# Altium PCB PCB1_G431.PcbDoc (continued)
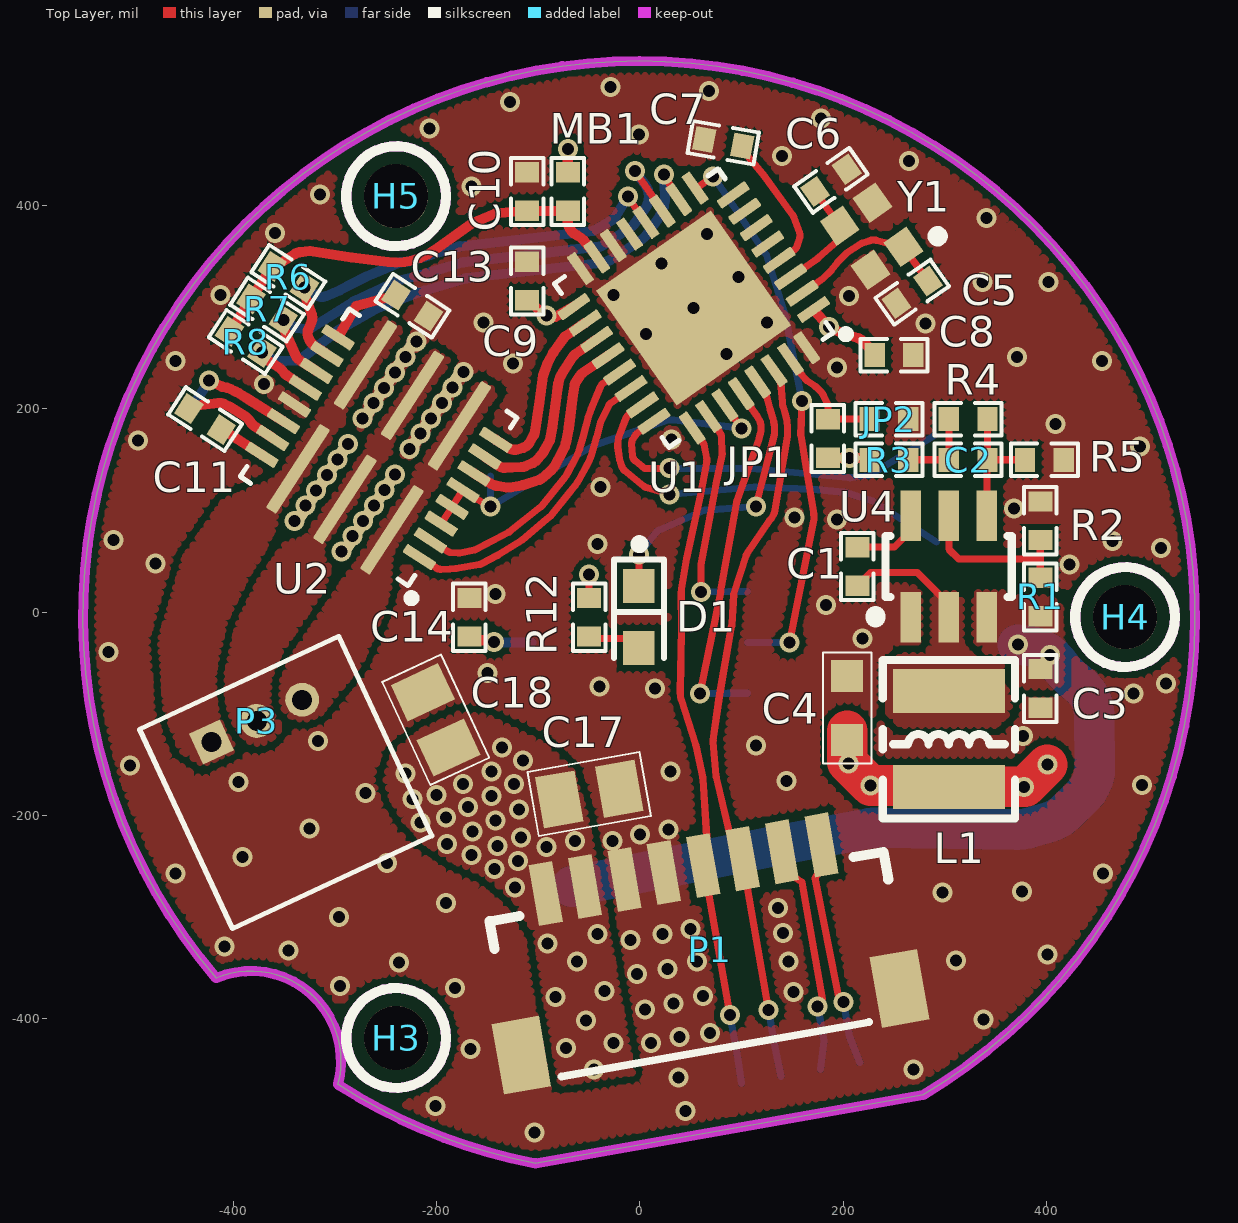
[diagram p0: Top Layer view]
## Footprints (in the part's own frame and the unit in brackets; to place one, negate y for a bottom-side part, rotate by r counter-clockwise, add the part's x,y. Pads: shape width x height; smd on the part's side, far side on the other; paste and mask are expansions set on the pad)
C_0402 [mil]
  rect 20x23.62 smd: 1(-19,0) 2(19,0)
  silkscreen extent -33,-16 33,16, body extent -20,-10 20,10, height 20
C_0603 [mm]
  rect 0.8x0.8 smd: 1(-0.788,0) 2(0.812,0)
  silkscreen extent -1.37,-0.61 1.41,0.61, body extent -1,-0.39 1,0.39, height 0.79
C_0805 [mm]
  rect 1x1.3 smd: 1(-0.762,0) 2(0.762,0)
  silkscreen extent -1.42,-0.81 1.42,0.81, body extent -1,-0.62 1,0.62, height 0.88
JST_SM08B-SRSS-TB(LF)(SN) [mm]
  rect 0.6x1.55 smd: 1(-3.5,4.775) 2(-2.5,4.775) 3(-1.5,4.775) 4(-0.5,4.775) 5(0.5,4.775) 6(1.5,4.775) 7(2.5,4.775) 8(3.5,4.775)
  rect 1.2x1.8 smd: P1(-4.8,0.9) P2(4.8,0.9)
  silkscreen extent -5,0.2 5,4.33, body extent -5,0.15 5,5.1, height 2.95
LED_0603 [mil] "LED_0603"
  rect 33x31 smd: A(-30.51,0) C(30.51,0)
  silkscreen extent -40,-25 76,25, body extent -32,-16 31,16, height 25
"M3 Hole" [mm] "M3 Hole with no copper"
  round 1.6 hole 1.6 unplated: 1(0,0)
MOLEX_530480310 [mm]
  rect 0.85x0.85 hole 0.5 mask+0.076: 1(0,0)
  round 0.85 hole 0.5 mask+0.076: 2(1.25,0) 3(2.5,0)
  silkscreen extent -1.5,-4.45 4,1.05, body extent -1.51,-4.45 3.99,1.05, height 3.5
NR3015 [mm]
  rect 1.1x2.8 smd: 1(-1.2,0) 2(1.2,0)
  silkscreen extent -1.98,-1.65 1.98,1.65, body extent -1.5,-1.5 1.5,1.5, height 1.45
QFN26-MPS [mm]
  rrect25% 0.86x0.25 smd: 1(-2.35,1.75) 2(-2.35,1.25) 3(-2.35,0.75) 4(-2.35,0.25) 5(-2.35,-0.25) 6(-2.35,-0.75) 7(-2.35,-1.25) 8(-2.35,-1.75) 14(2.35,-1.75) 15(2.35,-1.25) 16(2.35,-0.75) 17(2.35,-0.25) 18(2.35,0.25) 19(2.35,0.75) 20(2.35,1.25) 21(2.35,1.75)
  rrect25% 0.3x2.5 smd: 9(-1.4,-1.55) 10(-0.7,-1.55) 11(0,-1.55) 12(0.7,-1.55) 13(1.4,-1.55) 22(1.4,1.55) 23(0.7,1.55) 24(0,1.55) 25(-0.7,1.55) 26(-1.4,1.55)
  silkscreen extent -2.84,-2.5 2.5,2.82, body extent -2.5,-2.5 2.5,2.5, height 0.9
QFN32 [mm]
  rrect25% 0.86x0.25 smd: 1(-2.435,1.75) 2(-2.435,1.25) 3(-2.435,0.75) 4(-2.435,0.25) 5(-2.435,-0.25) 6(-2.435,-0.75) 7(-2.435,-1.25) 8(-2.435,-1.75) 17(2.435,-1.75) 18(2.435,-1.25) 19(2.435,-0.75) 20(2.435,-0.25) 21(2.435,0.25) 22(2.435,0.75) 23(2.435,1.25) 24(2.435,1.75)
  rrect25% 0.25x0.86 smd: 9(-1.75,-2.435) 10(-1.25,-2.435) 11(-0.75,-2.435) 12(-0.25,-2.435) 13(0.25,-2.435) 14(0.75,-2.435) 15(1.25,-2.435) 16(1.75,-2.435) 25(1.75,2.435) 26(1.25,2.435) 27(0.75,2.435) 28(0.25,2.435) 29(-0.25,2.435) 30(-0.75,2.435) 31(-1.25,2.435) 32(-1.75,2.435)
  rect 3.5x3.5 smd paste-0.64: 33(0,0)
  silkscreen extent -2.84,-2.5 2.5,2.82, body extent -2.5,-2.5 2.5,2.5, height 0.6
R_0402 [mil]
  rect 20x23.62 smd: 1(-19,0) 2(19,0)
  silkscreen extent -33,-16 33,16, body extent -20,-10 20,10, height 20
SOIC8 [mm]
  rect 1.55x0.6 smd: 1(-2.705,1.905)
  oval 1.55x0.6 smd: 2(-2.705,0.635) 3(-2.705,-0.635) 4(-2.705,-1.905) 5(2.695,-1.905) 6(2.695,-0.635) 7(2.695,0.635) 8(2.695,1.905)
  silkscreen extent -1.44,-2.54 1.44,2.54, body extent -3.01,-2.45 2.99,2.45, height 1.75
solder_pad_1 [mm]
  round 2 smd: 1(0,0)
SOT-23-6 [mil]
  rect 50x20 smd: 1(0,0) 2(0,-37.4) 3(0,-74.8) 4(100,-74.8) 5(100,-37.4) 6(100,0)
  silkscreen extent 0,-99 80,35, body extent -6,-95 104,19, height 57
XTAL-2016 [mm]
  rect 0.75x0.7 smd: 1(-0.675,-0.5) 2(0.675,-0.5) 3(0.675,0.5) 4(-0.675,0.5)
  silkscreen extent -1.07,-1.48 -0.82,-1.23, body extent -1,-0.8 1,0.8, height 0.65

## Part data
C1 C2 C3 C4 C5 C6 C7 C8 C9 C10 C11 C12 C13 C14 C15 C16 C17 C18: library part C
D1: library part LED_SMD
H3 H4 H5: library part "M3 Hole", "M3 Hole with no copper"
JP1 JP2 MB1 R1 R2 R3 R4 R5 R6 R7 R8 R9 R10 R11 R12 R13: library part R
L1: library part L-NR, "NR功率电感"
P1: library part "Header 8", "Header, 5-Pin", LatestRevisionDate=17-Jul-2002, LatestRevisionNote="Re-released for DXP Platform.", Publisher="Altium Limited"
P2: "Header, 5-Pin", LatestRevisionDate=17-Jul-2002, LatestRevisionNote="Re-released for DXP Platform.", Publisher="Altium Limited"
P3: library part "Header 3", "Header, 2-Pin", LatestRevisionDate=17-Jul-2002, LatestRevisionNote="Re-released for DXP Platform.", Publisher="Altium Limited"
U1: "ARMÂ® CortexÂ®-M4F STM32G4 Microcontroller IC 32-Bit 170MHz 128KB (128K x 8) FLASH 32-UFQFPN (5x5)", Package="UFQFN-32 STMicroelectronics", Availability="In Stock", Check_prices=https://www.snapeda.com/parts/STM32G431KBU3/STMicroelectronics/view-part/4524042/?ref=eda, MF=STMicroelectronics, MP=STM32G431KBU3, Price=None, Purchase-URL=https://pricing.snapeda.com/search/part/STM32G431KBU3/?ref=eda, SnapEDA_Link=https://www.snapeda.com/parts/STM32G431KBU3/STMicroelectronics/view-part/4524042/?ref=snap
U2: Package="UFQFN-32 STMicroelectronics", Availability="In Stock", Check_prices=https://www.snapeda.com/parts/STM32G431KBU3/STMicroelectronics/view-part/4524042/?ref=eda, MF=STMicroelectronics, MP=STM32G431KBU3, Price=None, Purchase-URL=https://pricing.snapeda.com/search/part/STM32G431KBU3/?ref=eda, SnapEDA_Link=https://www.snapeda.com/parts/STM32G431KBU3/STMicroelectronics/view-part/4524042/?ref=snap

## Via types
v1: diameter 19.68, hole 11.81, Top Layer to Bottom Layer, tented both sides, 197 vias

## Nets (pads, with @x,y where several pads share a name; then routed paths per layer and width w, separated by ;. In a path a pad name is that pad's centre, name@x,y a point inside that pad or via, vN(x,y) a via of type N, cw(c..) or ccw(c..) an arc to the next point about the centre after c; other vN are vias at no path point)
3v3: 3V3.1 C4.1 C8.1 C9.1 C14.1 JP1.1 L1.1 MB1.1 R3.2 R12.1 U1.1 U1.17 U3.6 | length 529.2
  Top Layer w7: R12.1 v1(-49.89,36.95)
  Top Layer w10: C14.1 -164.23,-27.72 -145.23,-27.72 v1(-143.38,-29.57) ; C9.1 -104.08,301.95 -96.18,294.21 -93.92,291.95 v1(-91.89,291.95) -90.92,290.98 -90.46,290.98 ccw(c-86.44,300.13) -81.5,291.43 U1.17 ; MB1.1 v1(-70.89,455.95) ; U1.1 184.98,281.85 ccw(c192.52,288.41) 188.8,279.13 202.53,273.67 ccw(c206.18,282.98) 203.06,273.48 ; JP1.1 191.92,151.61 v1(206.51,151.61) 221.11,151.61 R3.2 ; 203.11,273.46 214.76,269.7 cw(c211.69,260.19) 218.81,267.21 ; 218.83,267.18 226.11,259.76 C8.1
  Top Layer w40: C4.1@204.11,-117.05 C4.1 204.11,-147.62 v1(205.55,-149.06) v1(227.14,-170.64) 302.45,-170.64 L1.1 304.35,-172.05 v1(378.11,-172.05) 379.11,-172.05 v1(401.11,-150.05)
  Bottom Layer w10: v1@-142.89,-30.05 -106.99,-30.05 U3.6
  other v1: 186.03,280.81
EN: R13.1 U1.27 U2.3 U2.4 U2.5 | length 397.7
  Top Layer w7: U2.3 -194.72,88.29 U2.4 -174.82,118.92 U2.5 -162.68,112.95 -152.35,106.24 -150.05,103.95 v1(-146.89,103.95) ; U1.27 86.07,200.64 v1(100.1,180.95)
  Bottom Layer w7: R13.1 v1(-146.89,103.95) -45.38,163.88 cw(c-41.82,157.85) -44.13,164.46 ; -44.11,164.47 24.8,188.23 cw(c31.11,169.95) 33.47,189.14 v1(100.1,180.95)
GND: C3.2 C4.2 C5.1 C6.1 C7.1 C8.2 C9.2 C10.2 C13.2 C14.2 C15.1 C16.1 C17.1 C18.1 GND.1 JP2.1 P1.3 P1.4 P1.P1 P1.P2 P2.3 P2.4 P2.P1 P2.P2 R2.2 R5.2 R9.1 R10.1 R11.1 R13.2 U1.14 U1.16 U1.32 U1.33 U2.10 U2.12 U2.18 U3.7 U4.1 Y1.2 Y1.4
  other v1: -103.89,-512.05 45.11,-491.05 -200.89,-486.05 38.11,-458.05 269.11,-450.05 -166.89,-430.05 11.11,-424.05 39.11,-418.05 69.11,-414.05 338.11,-401.05 5.11,-391.05 33.11,-385.05 62.11,-378.05 151.11,-374.05 -181.89,-370.05 -294.89,-368.05 -2.89,-356.05 27.11,-351.05 -236.89,-345.05 56.11,-344.05 146.11,-344.05 311.11,-343.05 401.11,-337.05 -345.89,-333.05 -408.89,-329.05 -9.3,-322.75 22.11,-317.05 141.11,-316.05 50.11,-312.05 -295.89,-300.05 136.11,-291.05 -190.89,-286.05 298.11,-276.05 376.11,-275.05 -456.89,-257.05 456.11,-257.05 -248.89,-247.05 -390.89,-241.05 -26.89,-225.05 0.11,-219.05 28.11,-214.05 -324.89,-213.05 -269.89,-178.05 494.11,-170.05 -394.89,-167.05 144.11,-166.05 30.11,-157.05 -501.89,-151.05 114.11,-131.05 -316.89,-127.05 377.11,-122.05 486.11,-80.05 15.11,-75.05 -39.89,-73.05 518.11,-70.05 -149.89,-60.05 -522.89,-39.05 219.11,-26.05 183.11,6.95 -141.89,17.95 423.11,46.95 -476.89,47.95 513.11,62.95 -41.89,66.95 465.11,69.95 -517.89,70.95 194.11,90.95 152.11,92.95 368.11,101.95 -38.89,122.95 -226.53,160.55 492.11,162.95 -493.89,168.95 31.11,169.95 -215.98,175.68 409.11,184.95 -272.75,190.57 -205.44,190.81 -262.21,205.7 -194.89,205.95 -251.66,220.83 -184.35,221.08 -369.82,224.4 -241.12,235.97 -173.81,236.21 194.11,240.95 -124.89,244.95 -456.89,246.95 455.11,246.95 -230.58,251.1 371.11,250.95 85.11,253.95 -220.03,266.23 6.11,273.95 281.11,283.95 -153.89,284.95 125,284.95 52.95,299.27 206.11,310.95 -412.89,311.95 -25.89,311.95 337.11,324.95 402.11,324.95 97.11,329.95 21.11,342.95 66.11,371.95 -358.89,372.95 341.11,387.95 -314.89,410.95 -165.89,418.95 265.11,443.95 140.11,448.95 -0.89,469.95 -206.89,475.95 178.11,485.95 -127.89,501.95 68.11,512.95 -28.89,516.95
I2C_SCL: P1.5 P2.5 U1.25 | length 658.6
  Top Layer w7: U1.25 59.55,170.46 63.15,165.32 65.86,151.23 ; 55.01,-130.74 cw(c48.33,-132.85) 55.18,-131.4 61.95,-163.3 ; 55,-130.72 40.69,-85.94 cw(c59.11,-80.05) 39.77,-79.64 41.11,-16.05 40.76,19.76 cw(c60.11,19.95) 41.04,23.2 46.03,52.48 59.81,115.06 65.87,148.66 ccw(c58.98,149.91) 65.86,151.22 ; 61.95,-163.34 cw(c55.1,-164.76) 62.08,-164.29 65.9,-221.48 61.39,-244.49 P1.5 67.7,-276.02 v1(88.96,-396.61)
  Bottom Layer w7: v1(88.96,-396.61) 96.1,-437.09 P2.5
I2C_SDA: P1.6 P2.6 U1.30 | length 718.2
  Top Layer w7: 72.21,-126.3 ccw(c79.15,-127.24) 72.18,-127.86 75.04,-161.26 ccw(c82.01,-160.66) 75.2,-162.27 88.3,-217.53 P1.6 105.23,-269.4 v1(126.79,-391.64) ; 72.21,-126.28 78.16,-83.4 90.46,-13.47 ccw(c83.56,-12.26) 90.55,-12.7 ; 90.55,-12.67 92.39,18.01 104.79,55.98 cw(c111.45,53.83) 105.64,57.74 127.58,90.07 ccw(c114.11,103.95) 133.18,100.75 133.19,100.8 145.26,172.91 ccw(c132.44,175.06) 145.44,175.06 145.44,181.6 ccw(c132.44,181.6) 145.44,181.82 ccw(c100.11,180.95) 143.41,194.38 141.06,201.95 141.05,202 cw(c159.51,207.76) 140.23,206.22 ; U1.30 138.66,225.86 140.23,206.26
  Bottom Layer w7: v1(126.79,-391.64) 133.64,-430.47 P2.6
LED: D1.C U1.29 | length 290.1
  Top Layer w7: v1(-0.89,56.95) -0.89,38.71 D1.C ; v1(114.11,103.95) 132.44,175.06 132.44,181.6 ccw(c100.11,180.95) 132.43,182.03 ccw(c100.11,180.95) 132.26,184.46 ccw(c100.11,180.95) 131,190.53 128.61,198.22 cw(c159.51,207.76) 128.32,199.2 124.5,213.24 ccw(c117.74,211.4) 123.57,215.28 123.54,215.32 U1.29
  Bottom Layer w7: v1(-0.89,56.95) 16.01,78.55 cw(c21.53,74.24) 18.71,80.64 63.76,100.27 ; 63.78,100.28 v1(114.11,103.95)
NetC1_1: C1.1 L1.2 U4.2 | length 121.2
  Top Layer w7: C1.1 227.11,38.95 273.11,38.95 304.11,7.95 U4.2
NetC1_2: C1.2 U4.6 | length 74.2
  Top Layer w7: C1.2 250.7,63.95 266.7,79.95 U4.6
NetC2_1: C2.1 R4.1 R5.1 U4.4 | length 132.2
  Top Layer w7: U4.4 341.81,95.25 341.81,149.65 C2.1 ; R4.1 C2.1 ; R5.1 C2.1
NetC2_2: C2.2 R3.1 R4.2 | length 80
  Top Layer w7: R3.1 C2.2 R4.2
NetC5_2: C5.2 U1.2 Y1.1 | length 160.9
  Top Layer w7: U1.2 170.7,321.66 180.23,328.33 187.75,335.6 ccw(c182.88,340.64) 188.42,336.35 194.82,344.58 cw(c200.34,340.28) 195.44,345.27 203.55,353.25 217.16,362.32 cw(c221.04,356.49) 218.81,363.13 227.01,365.89 cw(c230.04,356.88) 227.97,366.16 cw(c230.04,356.88) 232.52,366.06 244.59,362.8 Y1.1 266.05,350.32 278.58,332.43 C5.2
NetC6_2: C6.2 U1.3 Y1.3 | length 115
  Top Layer w7: U1.3 159.66,337.43 175,348.17 ccw(c170.99,353.91) 175.58,348.62 194.78,365.3 Y1.3 189.93,389.41 177.4,407.3 C6.2
NetC7_2: C7.2 U1.4 | length 139.4
  Top Layer w7: C7.2 105.78,449.33 120.83,431.3 cw(c115.46,426.81) 121.09,430.97 150.53,390.74 cw(c144.88,386.61) 151.43,389.06 157.29,373.16 cw(c150.72,370.74) 157.42,368.71 154.81,360.24 cw(c148.12,362.3) 152.14,356.57 148.19,353.8 U1.4
NetC11_1: C11.1 U2.20 | length 94.4
  Top Layer w10: C11.1 -435.93,203.28 -415.28,205.87 cw(c-413.91,194.95) -409.1,204.84 -404.34,202.52 cw(c-408.71,193.53) -403.39,202 -387.55,191.99 cw(c-392.89,183.54) -384.75,189.35 -381.98,185.47 ccw(c-373.87,191.31) -379.32,182.93 ; -379.29,182.91 U2.20
NetC11_2: C11.2 U2.21 | length 47
  Top Layer w10: C11.2 -407.25,177.67 U2.21
NetC12_1: C12.1 U2.19 | length 118.1
  Top Layer w10: v1(-423.89,227.95) -410.97,221.79 cw(c-413.91,194.95) -402.02,219.19 -397.39,216.94 cw(c-408.71,193.53) -394.86,215.54 ; -394.83,215.51 -385.74,209.77 ; -385.72,209.76 U2.19
  Bottom Layer w10: C12.1 -438.73,205.1 v1(-423.89,227.95)
NetC13_1: C13.1 U2.14 | length 76.5
  Top Layer w10: U2.14 -279.15,301.44 C13.1
NetD1_A: D1.A R12.2 | length 52.5
  Top Layer w7: R12.2 -41.58,-25.96 -12.85,-25.96 D1.A
NetJP1_2: JP1.2 JP2.2 U1.31 | length 114
  Top Layer w7: U1.31 156.18,238.12 158.91,234.22 ccw(c164.65,238.23) 159.24,233.78 ; 159.26,233.76 163.44,228.75 ccw(c168.83,233.21) 164.92,227.4 ; 164.95,227.38 172.53,222.33 cw(c168.65,216.51) 173.58,221.48 ; 173.6,221.46 179.21,215.84 cw(c174.26,210.89) 180.61,213.83 ; 180.63,213.79 184.48,205.33 cw(c178.11,202.43) 185.11,202.43 JP1.2 JP2.2
NetP1_7: P1.7 P2.7 | length 224.9
  Top Layer w7: P1.7 152.71,-261.03 159.61,-265.86 179.94,-381.15 v1(175.11,-388.05)
  Bottom Layer w7: v1(175.11,-388.05) 181.11,-422.1 P2.7
NetP1_8: P1.8 P2.8 | length 222.6
  Top Layer w7: P1.8 175.34,-257.04 172.29,-261.6 195.85,-380.6 v1(200.41,-383.65)
  Bottom Layer w7: v1(200.41,-383.65) 206.4,-417.64 P2.8
NetR1_1: R1.1 R2.1 U4.5 | length 163.9
  Top Layer w7: U4.5 304.11,61.95 313.61,52.45 394.11,52.45 ; R1.1 394.11,52.45 ; R2.1 394.11,52.45
nFAULT: U1.22 U2.1 | length 300.9
  Top Layer w7: U2.1 -205.56,46.93 -199.85,43.22 ; -199.81,43.19 ccw(c-196.08,49.12) -195.7,42.13 -186.93,42.59 -181.27,42.92 ; -180.53,43.01 cw(c-181.68,49.91) -181.25,42.93 ; -42.54,171.91 -47.01,156.57 cw(c-98.37,171.54) -48.62,151.86 cw(c-98.37,171.54) -51.4,145.94 -59.95,130.25 cw(c-92.88,148.19) -63.57,124.8 -70.15,116.55 -86.1,96.57 cw(c-101.73,109.05) -89.28,93.39 -91.73,91.45 -115.58,71.23 cw(c-120.1,76.57) -116.38,70.65 -139.67,56.09 cw(c-143.39,62.02) -140.11,55.83 -155.87,47.49 cw(c-159.17,53.66) -157.99,46.76 -181.25,42.93 ; -42.53,171.95 ccw(c-61.73,177.54) -42.25,173.01 -38.81,186.55 -30.67,203.34 ; -30.66,203.36 cw(c-24.37,200.28) -28.39,206.02 -19.53,212.22 U1.22
nSLEEP: U1.21 U2.2 | length 309.7
  Top Layer w7: U2.2@-194.66,64.14 U2.2 -194.83,63.45 -189.32,59.87 ; -189.29,59.85 ccw(c-185.51,65.74) -186.24,58.78 -178.96,58.05 ccw(c-178.27,65.02) -176.87,58.16 -162.86,61.08 ccw(c-165.02,67.73) -161.81,61.51 -129.47,78.37 ccw(c-132.68,84.59) -128.34,79.09 -97.36,103.58 ccw(c-101.73,109.05) -96.25,104.69 -73.73,132.91 ccw(c-92.88,148.19) -71.37,136.47 -62.81,152.16 ccw(c-98.37,171.54) -59.78,159.27 ccw(c-98.37,171.54) -59.49,160.21 -55.01,175.58 -54.89,176.05 -51.15,190.75 cw(c-44.38,188.99) -50.98,191.32 ; -50.97,191.35 -47.92,199.85 cw(c-41.33,197.49) -47.8,200.18 -38.69,222.04 cw(c-32.21,219.38) -36.23,225.11 -31.08,228.72 U1.21 U1.21@-31.03,228.65
NSS: U1.9 U3.3 | length 549.1
  Top Layer w7: U1.9 55.93,417.62 v1(72.11,428.95) ; v1(147.11,-30.05) 171.07,89.13 ccw(c152.11,92.95) 171.19,96.08 163.92,140.4 158.43,174.22 v1(159.51,207.76)
  Bottom Layer w7: v1(72.11,428.95) 90.99,401.11 124.4,352.07 143.57,290.71 143.96,288.73 cw(c125,284.95) 143.99,288.59 v1(159.51,207.76) v1@157.09,210.19 ; U3.3 v1(147.11,-30.05)
PWM_A: U1.20 U2.6 | length 217.1
  Top Layer w10: U2.6 -145.13,125.69 ccw(c-140.02,134.29) -142.49,124.6 ; -142.44,124.58 ccw(c-140.02,134.29) -141.67,124.42 -131.14,122.67 ccw(c-129.48,132.53) -127.78,122.67 -115.65,124.81 ccw(c-117.36,134.67) -114.22,125.17 ; -114.2,125.18 -98.89,130.28 ccw(c-102.08,139.76) -95.32,132.39 -86.12,140.82 ; -86.11,140.83 ccw(c-92.88,148.19) -84.1,143.41 -75.54,159.1 ccw(c-98.37,171.54) -72.88,166.44 -70.28,179.45 ccw(c-95.77,184.55) -70.08,180.57 ccw(c-95.77,184.55) -69.99,181.17 -65.63,213.9 cw(c-55.71,212.6) -65.62,213.95 -64.43,222.6 ; -64.43,222.63 cw(c-54.52,221.23) -62.85,226.78 -58.91,232.68 cw(c-50.59,227.13) -57.77,234.09 cw(c-50.58,227.14) -56.19,235.42 U1.20
PWM_B: U1.19 U2.7 | length 195.4
  Top Layer w10: U2.7 U2.7@-138.63,143.78 ; U2.7@-138.61,143.76 ccw(c-133.06,152.09) -132.57,142.1 -116.31,142.84 -115.82,142.86 ; -115.78,142.86 ccw(c-116.28,152.85) -112.11,143.76 -104.86,147.05 ccw(c-109,156.16) -101.47,149.57 -96.52,155.23 ccw(c-104.05,161.81) -95.4,156.79 -89.76,166.47 ; -89.74,166.5 ccw(c-98.42,171.47) -88.96,168.22 -88.89,168.43 ccw(c-98.35,171.67) -88.57,169.58 -88.55,169.65 -85.97,182.59 ccw(c-95.77,184.55) -85.86,183.23 -81.49,216.02 ; -81.49,216.02 cw(c-71.58,214.69) -81.48,216.07 -80.27,224.85 cw(c-54.52,221.23) -76.28,235.46 -65.91,251.35 cw(c-57.54,245.88) -63.34,254.03 -63.28,254.06 U1.19
PWM_C: U1.18 U2.8 | length 174.4
  Top Layer w10: U2.8 U2.8@-128.67,161.33 ; U2.8@-128.64,161.3 ccw(c-123.35,169.79) -120.57,160.18 ; -120.57,160.18 -114.81,161.83 ccw(c-117.56,171.44) -108.87,166.48 -104.49,174.15 -104.47,174.2 ccw(c-113.2,179.07) -103.31,177.58 -98.91,206.86 ; -98.89,206.98 -95.34,232.74 -91.16,244.22 cw(c-81.75,240.82) -90.53,245.61 -85.22,255.35 cw(c-76.43,250.58) -84.51,256.48 -73.92,270.99 U1.18
SA: P3.3 U2.9 U2.26
SB: P3.2 U2.11 U2.24
SC: P3.1 U2.13 U2.22
SCK: U1.26 U3.2 | length 224.2
  Top Layer w7: v1(60.11,19.95) 60.11,46.78 75.1,125.9 cw(c81.97,124.59) 75.12,126 80.92,154.07 ccw(c74.07,155.49) 81.06,155.82 ; U1.26 75.45,181.59 78.95,176.6 cw(c73.21,172.58) 80.21,172.93 81.06,155.84
  Bottom Layer w7: v1(60.11,19.95) 87.08,20.12 U3.2
SDATA: U1.28 U3.4 | length 355.1
  Top Layer w7: v1(59.11,-80.05) 79.04,16.02 ccw(c60.11,19.95) 79.42,18.81 cw(c92.39,18.01) 79.59,20.28 95.06,107.33 cw(c114.11,103.95) 95.89,110.44 101.06,124.96 117.47,170.96 118.8,175.98 ccw(c100.11,180.95) 119.44,180.44 119.44,181.45 ccw(c100.11,180.95) 115.9,192.11 115.86,192.17 107.53,204.06 U1.28
  Bottom Layer w7: v1(59.11,-80.05) U3.4@87.06,-79.88 ; U3.4@87.1,-79.88 U3.4
SOA: R6.1 R9.2 U1.12 U2.15 | length 454.3
  Top Layer w7: v1(-11.89,408.95) -1.72,394.41 U1.12
  Top Layer w10: v1(-329.96,319.6) -329.48,311.16 -322.99,292.95 cw(c-332.41,289.59) -323.11,285.91 ; -326.18,270.09 -325.03,267.5 ccw(c-315.91,271.59) U2.15@-321.59,263.37 ; -326.2,270.12 cw(c-317.04,274.15) -326.32,277.89 -323.12,285.88 ; U2.15@-321.56,263.35 U2.15
  Bottom Layer w10: v1(-329.96,319.6) -318.36,311.91 ccw(c-312.84,320.24) -308.95,311.03 -295.14,316.85 -269.58,330.07 -238.26,343.56 cw(c-234.3,334.37) -235.06,344.34 ccw(c-239.9,409.38) -221.09,346.94 -178.74,359.69 cw(c-175.86,350.11) -177.01,360.05 -45.52,375.29 -27.17,386.04 ccw(c-32.22,394.67) -23.66,389.49 v1(-11.89,408.95)
SOB: R7.1 R10.2 U1.11 U2.16 | length 541.4
  Top Layer w7: v1(-4.89,433.95) 14.73,405.92 U1.11
  Top Layer w10: v1(-350.96,287.6) -350.48,279.16 -338.73,252.45 ccw(c-329.57,256.47) -335.04,248.1 ; -335.01,248.08 U2.16
  Bottom Layer w10: v1(-350.96,287.6) -340.99,281.12 ; -340.96,281.1 ccw(c-335.54,289.51) -337.16,279.64 -330.05,278.5 ccw(c-328.46,288.37) -323.11,279.92 ; -323.1,279.92 -282.13,305.53 cw(c-276.83,297.05) -281.08,306.1 -239.85,325.45 cw(c-235.6,316.39) -238.05,326.09 -220.05,330.63 ccw(c-239.9,409.38) -216.47,331.62 -200.98,336.28 -175.49,343.96 ; -175.45,343.97 cw(c-172.61,334.38) -173.76,344.32 -67.05,356.69 ; -67.01,356.7 -40.23,359.69 ; -40.21,359.69 ccw(c-41.34,369.62) -35.9,361.23 -8.75,378.75 ccw(c-14.17,387.15) -6.04,381.33 5.05,396.81 ccw(c-11.89,408.95) 4.58,421.71 v1(-4.89,433.95)
SOC: R8.1 R11.2 U1.10 U2.17 | length 554
  Top Layer w7: v1(23.57,430.85) 35.74,409.95 ccw(c41.79,413.47) 35.89,409.7 U1.10
  Top Layer w10: R8.1@-369.59,250.06 -354.7,240.39 cw(c-360.15,232) -352.36,238.28 ; -352.34,238.25 -349.85,235.14 ccw(c-342.06,241.41) -347.62,233.1 ; -347.59,233.08 U2.17
  Bottom Layer w10: v1(-371.96,255.6) -367.77,252.87 -362.23,249.28 ccw(c-356.81,257.68) -357.83,247.74 ; -357.8,247.73 -350.74,247.03 ccw(c-349.78,256.99) -349.05,247.01 ; -349.01,247.01 -338.05,247.87 ccw(c-338.79,257.84) -332.68,249.93 -298.48,276.36 cw(c-292.36,268.45) -297.34,277.12 ; -297.31,277.14 -260.96,297.83 cw(c-256.02,289.14) -259.6,298.48 -217.24,314.76 cw(c-213.65,305.43) -216.1,315.12 ccw(c-239.9,409.38) -211.86,316.3 -172.28,328.22 cw(c-169.35,318.65) -170.54,328.58 ; -170.51,328.59 -152.57,330.67 -65.17,340.8 -38.42,343.79 ccw(c-41.34,369.62) -31.45,345.58 -29.61,346.33 ccw(c-33.42,355.58) -27.97,347.19 -0.08,365.3 ccw(c-14.17,387.15) 6.99,372.04 12.04,379.1 18.03,387.46 ccw(c-11.89,408.95) 24.87,411.39 v1(23.57,430.85)
SWCK: CK.1 U1.24 | length 358.9
  Top Layer w7: -6.8,170.42 ccw(c-1.04,166.45) -8.02,165.95 -7.15,153.84 ccw(c-0.17,154.34) -6.6,151.58 ; -6.78,170.46 -3.6,174.95 cw(c2.12,170.91) -1.9,176.64 2.99,180.07 U1.24 ; -6.58,151.52 ccw(c-0.17,154.34) -4.5,148.84 4.86,141.4 v1(29.11,141.63)
  Bottom Layer w7: v1(29.11,141.63) 108.43,141.4 ; 108.47,141.4 cw(c108.37,134.4) 109.04,141.37 204.72,132.35 ccw(c206.51,151.61) 208.89,132.42 224.52,134.33 ccw(c223.67,141.28) 227.34,135.32 CK.1
SWIO: IO.1 U1.23 | length 416.5
  Top Layer w7: -21.78,164.84 ccw(c-14.83,164.01) -21.76,162.98 -19.98,150.57 ccw(c-13.05,151.56) -19.71,149.39 -17.53,142.87 ccw(c-10.89,145.08) -15.3,139.65 4,123.85 ccw(c8.43,129.27) 6.5,122.54 v1(29.11,115.95) ; -21.78,164.88 -20.97,171.34 cw(c-14.02,170.5) -20.74,172.48 -13.66,190.95 cw(c-7.12,188.44) -11.14,194.18 -8.29,196.17 U1.23 U1.23@-8.24,196.11
  Bottom Layer w7: v1(29.11,115.95) 112.42,123.22 cw(c114.11,103.95) 114.94,123.27 168.94,120.95 cw(c168.64,113.96) 169.27,120.93 201.33,118.02 cw(c200.7,111.04) 202.84,117.71 229.23,109.23 ; 229.25,109.22 cw(c227.09,102.56) 230.88,108.45 IO.1
VDDA: C10.1 MB1.2 R6.2 R7.2 R8.2 U1.15 | length 444.2
  Top Layer w10: R8.2 -399.84,281.82 -382.7,308.21 -365.57,334.6 R6.2 -353.93,343.28 -339.13,352.7 cw(c-333.76,344.26) -335.01,354.18 -324.8,355.46 -283.66,349.07 ccw(c-282.12,358.95) -283.34,349.02 -247.86,344.65 ccw(c-239.9,409.38) -201.86,356.4 -165.82,382.28 ; -163.84,383.39 ccw(c-159.99,374.16) -165.82,382.28 ; -126.72,393.96 ccw(c-126.06,383.98) -127.1,393.92 -142.42,392.31 -165.82,382.28 ; -126.68,393.96 C10.1 MB1.2 -70.89,383.6 ccw(c-60.89,383.6) -69.57,378.63 -68.19,376.22 ccw(c-59.51,381.18) -64.62,372.58 -62.1,371.07 cw(c-67.24,362.49) -61.7,370.81 -57.24,367.84 ; -57.21,367.82 cw(c-62.79,359.52) -54.9,365.67 U1.15
VIN: C3.1 C12.2 C15.2 C16.2 C17.2 C18.2 P1.1 P1.2 P2.1 P2.2 R1.2 U2.23 U2.25 U4.3 | length 711
  Bottom Layer w40: -66.89,-270.05 145.27,-227.77 225.18,-212.79 cw(c232.56,-252.1) 233.1,-212.11 371.23,-213.97 371.29,-213.98 ccw(c371.77,-173.98) 382.82,-212.42 402.43,-206.82 ccw(c391.44,-168.36) 419.32,-197.04 435.78,-181.03 ccw(c407.9,-152.35) 447.9,-151.87 447.3,-101.9 ccw(c407.3,-102.38) 430.58,-69.86 cw(c477.62,-4.88) 414.88,-54.86 409.46,-48.05 409.41,-47.99 ccw(c378.17,-72.97) 382.59,-33.22 v1(372.11,-32.05)
  other v1: -44.89,-450.05 -72.89,-429.05 -25.89,-424.05 -52.89,-402.05 -82.89,-379.05 -34.89,-373.05 -61.89,-344.05 -90.89,-326.05 -41.89,-317.05 -122.89,-271.05 -142.89,-253.05 -119.89,-245.05 -165.89,-239.05 -91.89,-231.05 -139.89,-230.05 -189.89,-228.05 -63.89,-225.05 -116.89,-222.05 -164.89,-216.05 -215.89,-207.05 -141.89,-205.05 -190.89,-202.05 -118.89,-194.05 -168.89,-192.05 -223.89,-184.05 -145.89,-181.05 -199.89,-180.05 -173.89,-169.05 -123.89,-169.05 -230.89,-159.05 -145.89,-157.05 -114.89,-146.05 -135.89,-133.05 403.55,-42.05 -293.53,59.55 -282.98,74.68 -339.75,89.57 -272.44,89.81 -329.21,104.7 -261.89,104.95 -318.66,119.83 -251.35,120.08 -308.12,134.97 -240.81,135.21 -297.58,150.1 -287.03,165.23
pads on no net: H3.1 H4.1 H5.1 U1.5 U1.6 U1.7 U1.8 U1.13 U3.1 U3.5 U3.8

## Polygon pours and split planes (outlines as drawn)
GND on Top Layer "GND_L01_P008" (hatched 90Degree grid 0 track 8, remove dead copper, pour order 8): -547.97,-4.88 ccw(c-0.72,-4.88) -0.72,-552.13 ccw(c-0.72,-4.88) 546.52,-4.88 ccw(c-0.72,-4.88) -0.72,542.36 ccw(c-0.72,-4.88)
NetC1_1 on Top Layer "NETC1_1_L01_P006" (hatched 90Degree grid 0 track 8, pour order 6): 294.11,17.95 289.11,12.95 289.11,-33.05 279.11,-43.05 257.11,-43.05 245.11,-55.05 245.11,-99.05 257.11,-111.05 350.11,-111.05 363.11,-98.05 363.11,-50.55 351.61,-39.05 323.11,-39.05 316.11,-32.05 316.11,12.95 311.11,17.95
VIN on Top Layer "VIN_L01_P005" (hatched 90Degree grid 0 track 8, pour order 5): 332.11,18.95 330.11,16.95 330.11,-27.05 342.11,-39.05 361.11,-39.05 369.11,-47.05 369.11,-66.05 376.11,-73.05 410.11,-73.05 415.11,-68.05 415.11,2.95 403.11,14.95 366.03,14.95 366.03,15.03 362.11,18.95
SC on Top Layer "SC_L01_P002" (hatched 90Degree grid 0 track 7, remove dead copper, pour order 2): -360.65,81.63 -387.89,25.95 -401.89,-6.05 -409.89,-44.05 -412.89,-59.05 -412.89,-86.05 -410.89,-99.05 -405.89,-112.05 -399.89,-136.05 -429.89,-150.05 -451.89,-136.05 -466.89,-95.05 -471.89,-27.05 -447.89,53.95 -409.89,108.95 -357.4,130.93 -254,289.94 -233.62,276.98
VIN on Top Layer "VIN_L01_P004" (hatched 90Degree grid 0 track 8, pour order 4): -101.69,-316.5 -80.89,-464.05 -7.89,-453.05 -33.89,-305.05 -35.89,-290.05 -54.89,-196.05 -67.39,-156.55 -91.89,-132.05 -122.89,-117.05 -151.89,-103.05 -178.89,-101.05 -213.89,-117.05 -241.89,-139.05 -249.89,-163.05 -242.89,-185.05 -230.89,-205.05 -224.39,-211.05 -213.89,-224.05 -185.89,-243.05 -151.89,-258.05 -123.14,-281.8
SB on Top Layer "SB_L01_P001" (hatched 90Degree grid 0 track 7, remove dead copper, pour order 1): -307.92,61.61 -305.89,40.95 -313.89,17.95 -352.89,-42.05 -359.89,-64.05 -360.89,-79.05 -357.89,-91.05 -353.89,-105.05 -355.89,-117.05 -361.89,-124.05 -371.89,-129.05 -381.89,-129.05 -392.89,-119.05 -398.89,-109.05 -402.89,-99.05 -406.39,-82.05 -406.39,-59.55 -395.89,-13.05 -373.99,31.7 -349.89,65.95 -327.09,76.43 -207.77,259.92 -187.4,246.96
SA on Top Layer "SA_L01_P000" (hatched 90Degree grid 0 track 7, remove dead copper, pour order 0): -245.28,56.85 -246.89,23.95 -253.89,-1.05 -274.89,-50.05 -313.89,-99.05 -325.89,-105.05 -336.89,-105.05 -345.89,-101.05 -350.89,-94.05 -352.89,-84.05 -351.89,-68.05 -342.89,-46.05 -288.94,33.99 -288.57,34.56 -161.54,229.91 -141.17,216.94
GND on Bottom Layer "GND_L04_P007" (hatched 90Degree grid 0 track 8, remove dead copper, pour order 7): -548.09,-4.8 ccw(c-0.85,-4.8) -0.85,-552.04 ccw(c-0.85,-4.8) 546.39,-4.8 ccw(c-0.85,-4.8) -0.85,542.44 ccw(c-0.85,-4.8)
VIN on Bottom Layer "VIN_L04_P003" (hatched 90Degree grid 0 track 8, pour order 3): -314.89,-65.05 -289.89,-90.05 -272.89,-121.05 -257.89,-152.05 -234.89,-198.05 -213.89,-224.05 -185.89,-243.05 -151.89,-258.05 -127.89,-277.05 -118.39,-286.55 -103.41,-329.53 -94.39,-368.55 -83.89,-444.05 -68.89,-532.05 -60.89,-535.05 -19.89,-530.05 5.11,-523.05 7.11,-516.05 5.11,-501.05 -5.89,-462.05 -27.89,-356.05 -40.89,-282.05 -54.89,-196.05 -76.89,-160.05 -104.89,-139.05 -150.54,-111.52 -171.67,-71.37 -185.89,-12.05 -189.52,42.95 -194.89,85.95 -209.89,116.95 -234.89,142.95 -283.89,174.95 -309.54,190.53 -348.89,203.95 -395.89,204.95 -413.91,194.95 -430.74,172.72 -426.89,150.95 -412.89,133.95 -409.89,108.95 -419.89,75.95 -427.89,42.95 -429.89,-17.05 -430.72,-36.88 -422.89,-49.05 -411.39,-51.55 -391.89,-51.05 -356.39,-53.05
GND on GND "GND_L02_P009" (hatched 90Degree grid 0 track 8, remove dead copper, pour order 9): -547.97,-4.88 ccw(c-0.72,-4.88) -0.72,-552.13 ccw(c-0.72,-4.88) 546.52,-4.88 ccw(c-0.72,-4.88) -0.72,542.36 ccw(c-0.72,-4.88)
3v3 on POWER "3V3_L03_P010" (hatched 90Degree grid 0 track 8, remove dead copper, pour order 10): -547.97,-4.88 ccw(c-0.72,-4.88) -0.72,-552.13 ccw(c-0.72,-4.88) 546.52,-4.88 ccw(c-0.72,-4.88) -0.72,542.36 ccw(c-0.72,-4.88)

## Keep-outs
Keep-Out Layer:
  circle w10: c-239.9,409.38 r49.21
  circle w10: c477.62,-4.88 r49.21
  circle w10: c-239.9,-419.14 r49.21
  lines w10: -417.04,-360.13 cw(c-382.74,-441.81) -297.21,-464.85 ccw(c-0.85,-4.8) -102.75,-542.47 278.8,-475.2 ccw(c-0.85,-4.8) -417.04,-360.13

## Silkscreen, mask and mechanical layers (free items; w line width, h text height)
Top Overlay:
  circle w10: c477.62,-4.88 r49.21
  circle w10: c-239.9,409.38 r49.21
  circle w10: c-239.9,-419.14 r49.21
Bottom Overlay:
  lines w10: -224.24,31.05 cw(c0,0) -172.51,146.59 ; -169.61,-155.69 ccw(c-0.85,-4.8) 176.16,-145.91 ; -120.88,187.13 cw(c-0.85,-4.8) 208.17,-91.74
Top Solder:
  lines w30: -446.06,-65.28 -431.44,13 cw(c-411.78,9.36) -429.53,18.58 -404.95,65.92 cw(c-387.2,56.7) -402.41,69.69 -389.9,84.34 ; -379.89,-41.05 -358.47,9.6 cw(c-340.04,1.83) -357.15,12.18 -336.95,45.58 ; -285.89,-6.05 -271.89,15.95
Bottom Solder:
  lines w40: -296.24,-23.83 -221.24,-152.83 ; -244.89,3.95 -169.89,-125.05
Mechanical 1:
  circle w10: c-240.02,-419.06 r29.53
  circle w10: c477.5,-4.8 r29.53
  circle w10: c-240.02,409.46 r29.53
  circle w10: c-239.9,409.38 r29.53
  circle w10: c-239.9,-419.14 r29.53
  circle w10: c477.62,-4.88 r29.53
  lines w10: -548.09,-4.8 -0.85,-4.8 -0.85,542.44 ; -324.82,-4.09 cw(c-0.72,-4.09) -272.53,172.43 ; -257,162.25 -0.72,-4.88 ; -0.89,-5.05 52.95,299.27 ; -0.72,-444.75 ccw(c-0.72,-4.09) 75.66,-438.08 -0.72,-4.88 ; -0.72,-5.22 -0.72,-4.88 ; -0.72,-4.09 546.52,-4.09 ; -0.72,325.41 cw(c-0.72,-4.09) 56.69,320.37 ; -417.04,-360.13 cw(c-0.85,-4.8) 278.8,-475.2 -102.75,-542.47 cw(c-0.85,-4.8) -297.21,-464.85 ccw(c-382.74,-441.81) -417.04,-360.13